# Allegro board MB1045.brd (continued)
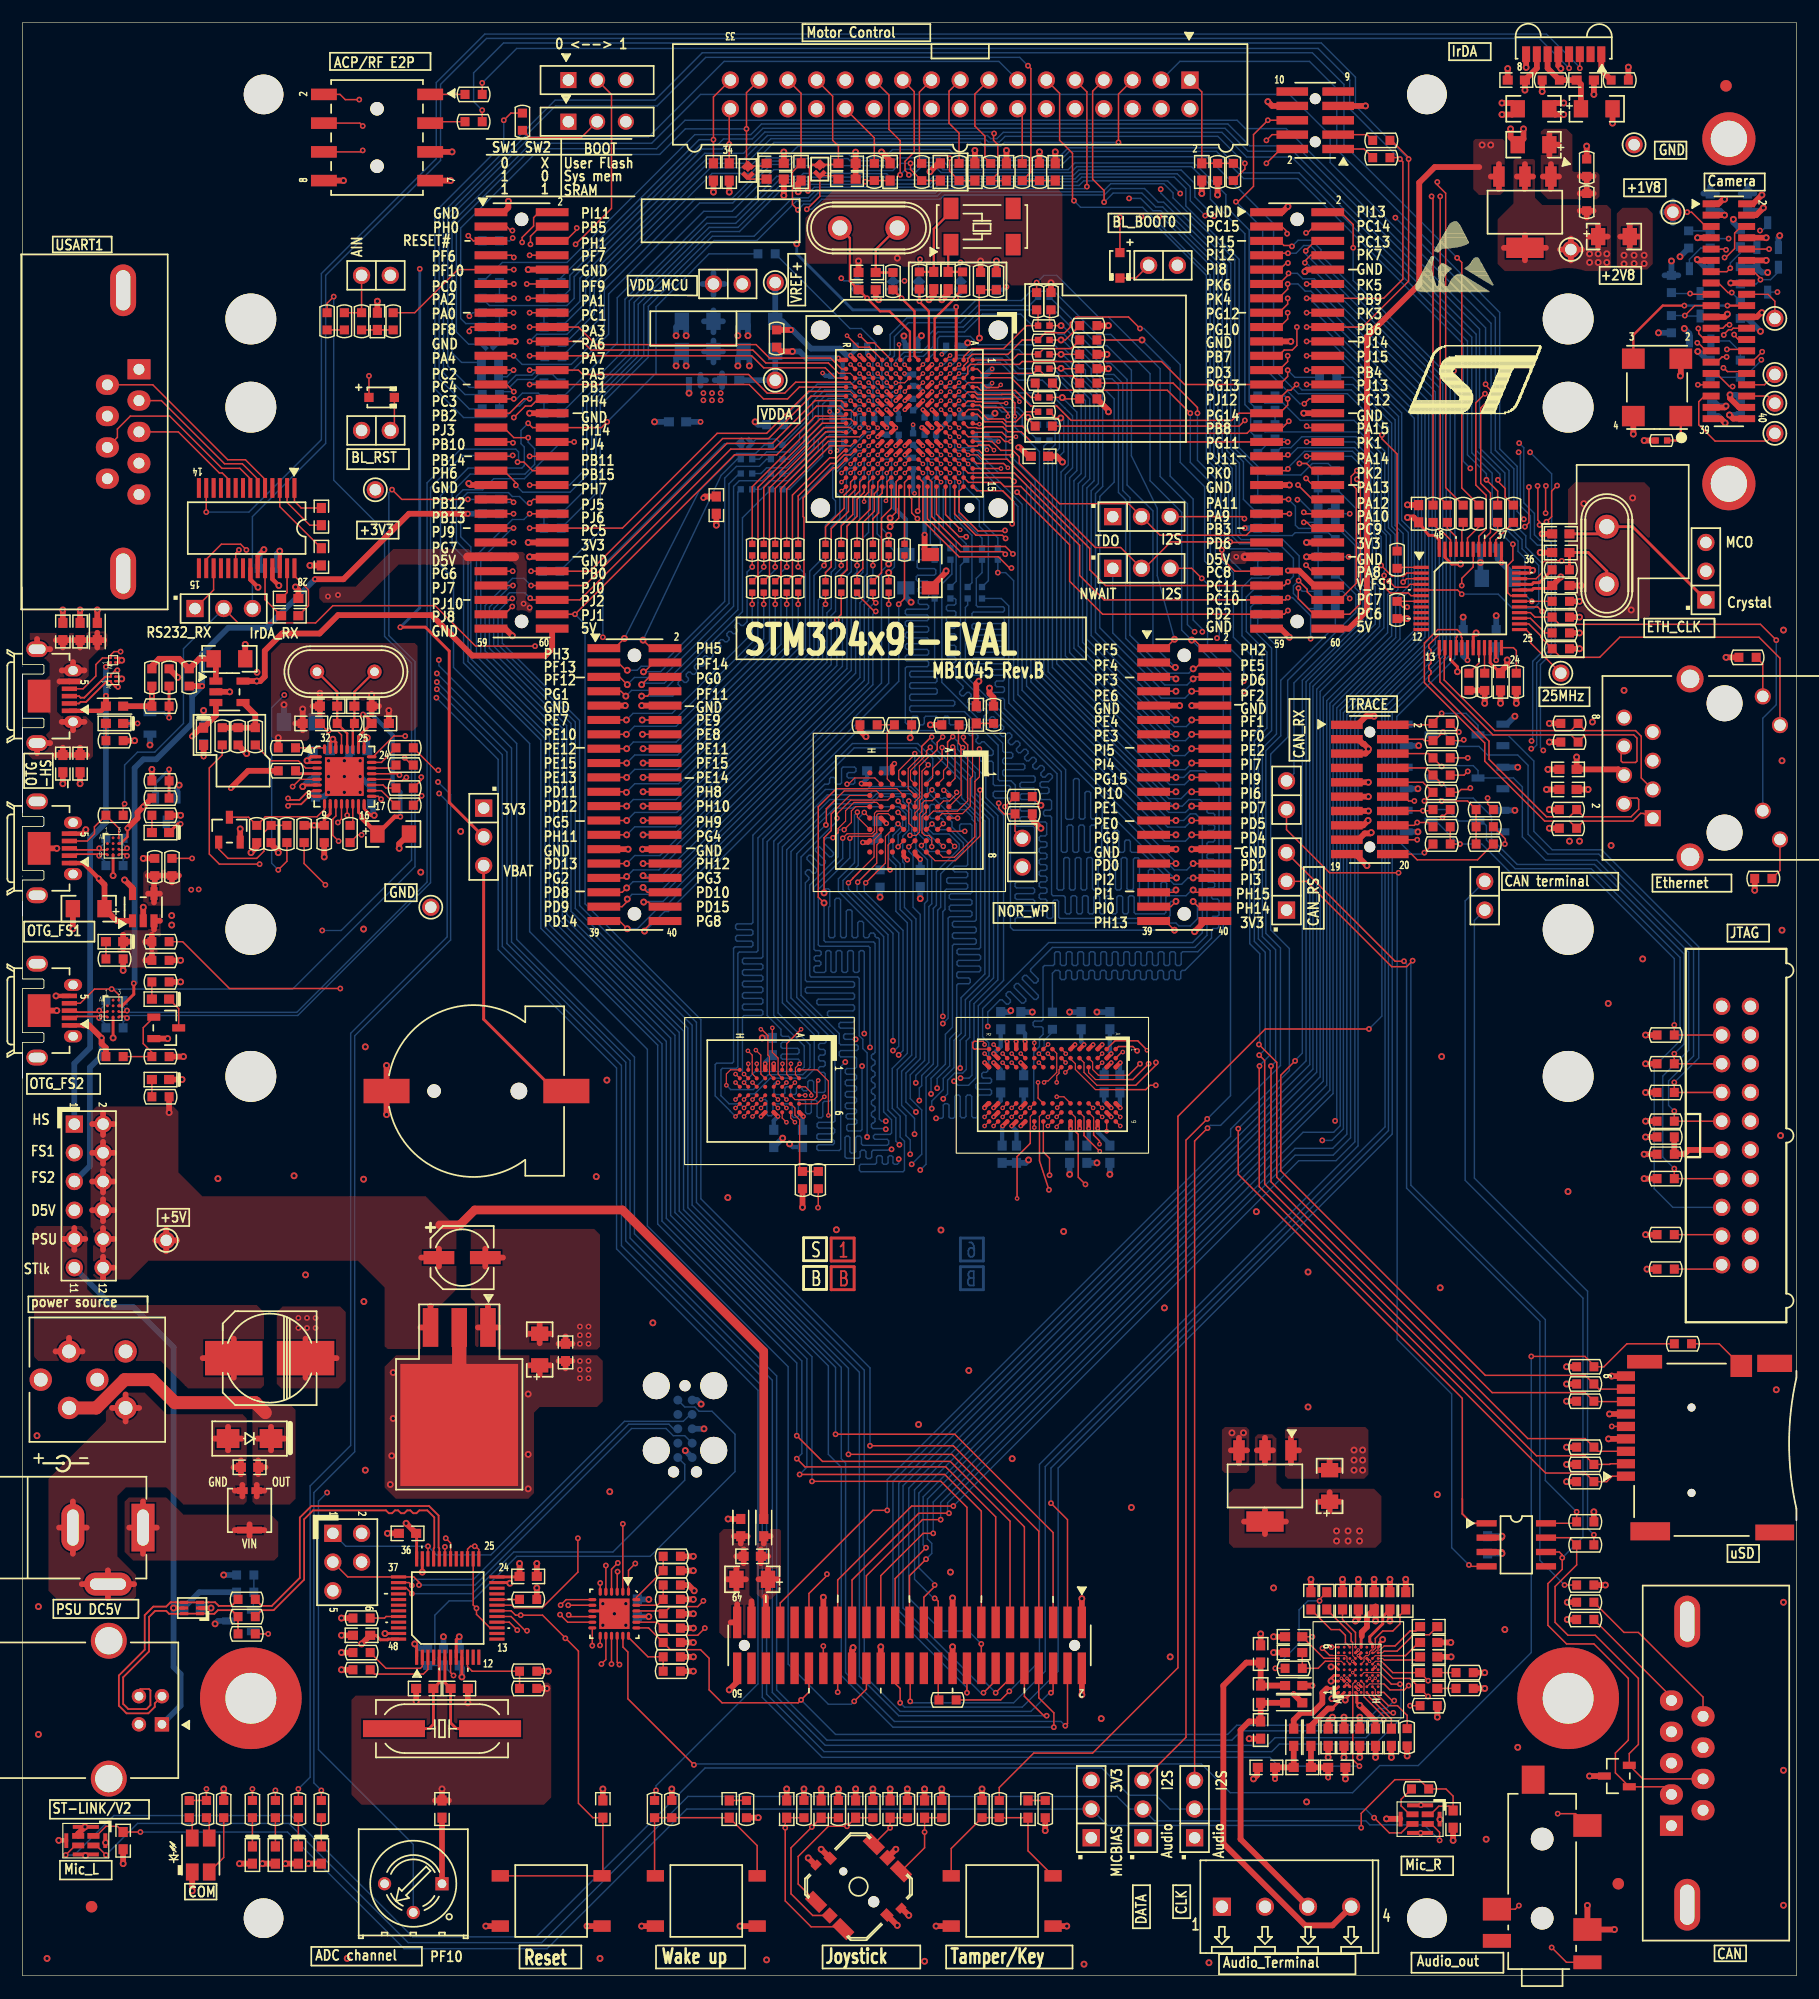
[diagram p0: board, top side]
## Routing (per net, layer and track width the routed paths; a pad name or vN(x,y) marks a point on that pad's centre or on a via; arc(x,y) is an arc through that point) (continued)
  BOTTOM w0.127: v1(133.3,134.72) 135.2,132.82 135.2,127.43 135.51,127.13 135.51,117.25 134.21,115.95 134.21,108.61 v1(134.47,108.36)
PI11: length 109.8
  TOP w0.127: U3.F3 v2(80.41,141.69) ; CN6.2 45.67,155.96 45.18,155.47 45.18,154.73 44.17,153.72 v1(44.17,153.29) ; v1(27.88,101.98) 28.2,102.3 U7.12
  L4_SIG w0.102: v1(27.88,101.98) 27.88,102.6 28.5,103.23 29.31,103.23 31.34,105.26 31.34,109.83 34.34,112.83 34.34,145.01 42.57,153.24 44.12,153.24 v1(44.17,153.29) 44.42,153.54 51.18,153.54 53.8,150.93 69.98,150.93 73.46,147.45 75.87,147.45 77.11,146.2 77.11,143.97 77.6,143.48 78.18,143.48 79.12,142.54 79.12,141.45 79.27,141.3 79.76,141.3 80.14,141.69 v2(80.41,141.69)
PI12: length 203.8
  TOP w0.127: U3.E3 v2(81.21,141.69) ; CN20.26 78.42,25.97 78.49,25.91 v1(78.49,24.26) ; CN7.7 111.1,152.15 111.28,152.32 v1(111.89,152.32)
  L4_SIG w0.102: v2(81.21,141.69) 81.65,142.13 81.65,144.52 85.72,148.59 89.28,148.59 90.32,149.63 90.32,150.52 92.66,152.86 109.96,152.86 110.49,152.32 v1(111.89,152.32)
  BOTTOM w0.127: v1(78.49,24.26) 78.61,24.13 87.63,24.13 90.42,26.92 90.42,45.02 120.47,75.06 120.47,112.19 125.58,117.3 125.58,140.79 114.31,152.07 114.31,152.56 113.86,153.01 113.28,153.01 112.6,152.32 v1(111.89,152.32)
PI13: length 212.3
  TOP w0.127: CN20.28 77.15,25.84 77.6,25.4 v1(77.6,24.13) ; v1(117.65,152.81) 117.65,154.86 116.56,155.96 CN7.2 ; U3.G3 v2(79.61,141.69)
  L4_SIG w0.102: v2(79.61,141.69) 79.61,141.75 80.04,142.18 80.04,144.17 85.72,149.86 88.27,149.86 91.97,153.57 110.49,153.57 110.69,153.37 113.95,153.37 114.51,152.81 v1(117.65,152.81)
  BOTTOM w0.127: v1(77.6,24.13) 77.98,23.75 88.39,23.75 91.57,26.92 91.57,44.89 121.11,74.43 121.11,111.68 126.24,116.81 126.24,141.33 117.65,149.91 v1(117.65,152.81)
PI14: length 169.8
  TOP w0.127: CN20.32 74.61,25.34 v1(73.53,24.26) ; v1(44.7,137.29) 45.09,136.91 CN6.32 51.18,136.91 v1(51.69,137.41)
  BOTTOM w0.127: v1(51.69,137.41) 56.01,141.73 56.01,147.59 60.69,152.27 R295.1 ; v1(73.53,24.26) 73.28,24 71.25,24 67.69,27.56 67.69,53.85 55.24,66.29 55.24,81.92 44.83,92.33 44.83,108.97 38.1,115.7 38.1,123.57 36.96,124.71 36.96,130.89 39.39,133.32 44.15,133.32 44.36,133.54 44.36,135.19 44.07,135.48 44.07,136.65 v1(44.7,137.29)
PK7: length 189.7
  TOP w0.127: CN7.8 113.89,152.15 113.39,151.64 v1(113.39,151.49) ; U3.C4 v2(82.81,140.89) ; R183.2 86.49,24.38 v1(87.25,25.15)
  L4_SIG w0.102: v1(113.39,151.49) 113.23,151.49 112.78,151.03 110.01,151.03 108.33,149.35 93.22,149.35 87.88,144.02 85.98,144.02 82.85,140.89 v2(82.81,140.89)
  BOTTOM w0.127: v1(87.25,25.15) 89.92,27.81 89.92,45.22 118.08,73.39 118.08,110.92 124.92,117.75 124.92,140.06 113.49,151.49 v1(113.39,151.49)
RESET#: length 373.7
  TOP w0.127: v1(128.02,105.03) 127.89,104.9 127.2,104.9 126.95,104.65 R109.2 ; D2.1 v1(30.63,141.48) ; v1(134.37,120.65) 133.97,121.04 U5.29 ; v1(22.61,97.79) 23.37,98.55 R123.2 ; B1.2 B1.3 51.31,8.9 C91.2 50.42,13.97 49.15,15.24 49.15,28.7 47.99,29.86 ; CN20.36 v1(72.07,25.07) ; 47.99,29.86 v1(47.99,29.83) ; 47.99,29.86 45.97,31.88 v1(44.04,31.88) 43.59,31.88 43.2,32.26 U15.18 ; U3.J1 77.54,142.96 77.54,144.21 v2(77.5,144.25)
  L4_SIG w0.102: v1(128.02,105.03) 128.27,105.28 128.27,106.38 134.11,112.22 134.11,120.4 v1(134.37,120.65) ; v1(22.61,97.79) 27.33,93.07 27.33,43.64 30.31,40.65 37.2,40.65 38.38,39.47 38.38,35.64 42.14,31.88 v1(44.04,31.88) ; v1(23.14,113.26) 22.05,114.35 22.05,126.67 31.11,135.74 31.11,138.68 30.63,139.17 v1(30.63,141.48) 30.63,141.86 42.44,153.67 v1(43.33,153.67) 43.54,153.67 43.76,153.9 51.46,153.9 54.03,151.33 70.03,151.33 73.65,147.71 76.09,147.71 77.39,146.41 77.39,144.35 v2(77.5,144.25) 77.78,143.97 79.27,143.97 81.92,146.61 81.92,148.46 83.69,150.24 87.91,150.24 91.59,153.92 110.97,153.92 111.28,153.62 119.53,153.62 v1(121.39,155.47) ; v1(72.07,25.07) 72.07,25.67 69.67,28.07 61.95,28.07 61.16,28.85 54.58,28.85 53.61,29.83 v1(47.99,29.83)
  BOTTOM w0.127: v1(23.14,113.26) 22.02,112.14 22.02,98.37 v1(22.61,97.79) ; v1(121.39,155.47) 130.23,146.63 130.23,134.9 131.86,133.26 131.86,128.38 132.92,127.33 132.92,126.34 134.37,124.89 v1(134.37,120.65) ; R208.1 43.08,153.42 v1(43.33,153.67)
RSTI_C: length 4.5
  TOP w0.127: CN5.17 147.51,148.69 v1(147.45,148.76)
  BOTTOM w0.127: T2.3 v1(147.45,148.76) 145.88,148.76 R212.1
STL_USB_DM: length 27.4
  TOP w0.155: R163.1 21.15,32.7 22.03,32.7 24.51,35.18 24.51,40.51 25.53,41.53 35.94,41.53 36.78,40.69 36.78,37.85 36.84,37.79 U15.32
STL_USB_DP: length 27.4
  TOP w0.155: R168.1 21.15,32.32 22.19,32.32 24.89,35.02 24.89,40.36 25.68,41.15 32.13,41.15 32.38,40.89 32.67,40.89 32.92,41.15 33.21,41.15 33.46,40.89 33.75,40.89 34,41.15 34.28,41.15 34.54,40.89 34.82,40.89 35.08,41.15 35.78,41.15 36.4,40.53 36.4,37.85 36.34,37.79 U15.33
STM_JTCK_SWCLK: length 39
  TOP w0.127: CN19.3 28.75,35.26 U15.37 34.59,35.26 35.05,34.8 v1(35.05,34.54)
  BOTTOM w0.127: v1(35.05,34.54) 40.01,34.54 53.85,48.39 56.9,48.39 57.53,47.75 58.55,47.75 CN25.4
STM_JTDI: length 31
  TOP w0.127: U15.38 34.16,34.76 v1(34.42,34.51)
  BOTTOM w0.127: CN25.8 57.56,48.36 57.15,48.77 53.59,48.77 39.88,35.05 34.67,35.05 34.42,34.8 v1(34.42,34.51)
STM_JTDO: length 31.9
  TOP w0.127: U15.39 33.94,34.26 v1(34.42,33.78)
  BOTTOM w0.127: CN25.6 58.55,45.21 58.55,43.81 52.2,37.47 43.43,37.47 39.75,33.78 v1(34.42,33.78)
STM_JTMS_SWDIO: length 38.8
  TOP w0.127: v1(35.84,37.97) U15.34
  BOTTOM w0.127: CN19.1 28.57,37.97 v1(35.84,37.97) 36.6,37.21 41.4,37.21 53.21,49.02 58.42,49.02 59.03,49.63 CN25.2
STM_RST: length 50.4
  TOP w0.127: U15.7 37.84,26.8 v1(38.1,26.54)
  BOTTOM w0.127: 35.94,27.43 C165.2 v1(38.1,26.54) ; 35.94,27.43 36.45,27.94 36.45,31.88 37.72,33.15 39.75,33.15 43.69,37.08 55.5,37.08 62.99,44.58 62.99,47.88 60.96,49.91 59.82,49.91 59.44,50.29 58.55,50.29 CN25.10 ; 35.94,27.43 R305.1
T_JTDO: length 215.1
  TOP w0.127: v1(135.69,131.78) 135.2,131.29 135.2,129.03 v1(134.75,128.57) ; U15.31 v1(37.34,37.92) ; R103.2 v1(127.79,107.7) ; v1(43.74,30.56) 43.03,31.26 U15.16
  L4_SIG w0.102: v1(135.69,131.78) 135.69,131.62 135.28,131.22 132.23,131.22 131.57,130.56 114.71,130.56 112.88,132.38 103.84,132.38 103.02,131.57 98.93,131.57 JP4.1 ; v1(37.34,37.92) 37.34,34.26 40.34,31.26 43.03,31.26 v1(43.74,30.56) 44.32,31.14 49.25,31.14 49.58,31.47 49.58,35.84 52.45,38.71 72.54,38.71 76.3,42.47 78.84,42.47 115.32,78.94 115.32,87.96 125.6,98.25 125.6,99.9 127.2,101.5 127.2,107.11 v1(127.79,107.7) 128.02,107.92 128.02,112.14 129.92,114.05 131.9,114.05 133.15,115.29 133.15,120.57 134.98,122.4 134.98,128.35 v1(134.75,128.57)
U5V_ST_LINK: length 53.1
  TOP w0.254: D8.5 v4(13.35,32.51)
  BOTTOM w0.508: v4(13.35,32.51) 13.35,27.29 13.97,26.67 13.97,23.88 CN21.1 ; v4(13.35,32.51) C163.1 15.62,33.91 R304.1 ; v4(13.35,32.51) 13.35,55.56 9.78,59.13 8.05,59.13 JP12.11
VREF+: length 14.2
  TOP w0.381: v2(73.21,143.29) 73.61,142.89 U3.P1
  TOP w0.508: R31.2 v1(67.94,145.54)
  BOTTOM w0.381: C107.2 73.66,143.76 73.21,143.31 v2(73.21,143.29)
  BOTTOM w0.508: TP2.1 C103.1 67.18,146.3 v1(67.94,145.54) 68.07,145.54 69.72,143.89 72.26,143.89 72.87,143.29 v2(73.21,143.29)
XSDN_C: length 5.2
  TOP w0.127: v1(146.98,146.81) 147.86,147.69 CN5.19
  BOTTOM w0.127: R220.1 v1(146.98,146.81) 147.02,146.77 T3.3

## Copper pours and planes (outline as drawn; the poured copper is in the pictures)
+1V8 on TOP: 107.06,43.05 108.46,43.05 108.97,43.56 108.97,47.62 109.22,47.88 110.49,47.88 110.87,47.5 110.87,43.56 111.38,43.05 119.51,43.05 120.14,42.42 120.14,38.35 119.63,37.85 107.06,37.85 106.68,38.23 106.68,42.67
+1V8 on BOTTOM: 154.56,159.38 154.81,159.13 154.81,156.72 154.56,156.46 146.81,156.46 146.56,156.21 146.56,150.11 146.43,149.99 145.41,149.99 145.16,149.73 145.16,144.91 143.83,143.57 143.83,137.1 145.41,135.51 145.41,119.25 138.3,112.14 138.3,100.2 137.92,99.82 136.4,99.82 136.02,100.2 136.02,113.28 142.75,120.02 142.75,133.73 141.22,135.25 141.22,148.72 143.76,151.26 143.76,158.37 144.78,159.38
+1V8 on BOTTOM: 115.7,40.64 120.52,40.64 121.28,39.88 121.28,25.4 119.25,23.37 115.82,23.37 114.94,24.26 114.94,39.88
+1V8 on L4_SIG: 134.75,101.47 137.79,101.47 138.3,100.97 138.3,100.08 136.27,98.04 135.51,98.04 130.81,93.34 130.81,90.93 123.06,83.19 123.06,40.89 119.76,37.59 116.46,37.59 115.82,38.23 115.82,42.67 116.71,43.56 117.98,43.56 119.25,44.83 119.25,85.98
+2V8 on TOP: 140.08,156.59 140.46,156.21 140.46,151 140.21,150.75 131.06,150.75 130.43,151.38 130.43,155.32 131.83,156.72 131.83,160.53 131.95,160.66 133.6,160.66 133.73,160.53 133.73,157.23 134.37,156.59
+2V8 on L3_VCC: 136.76,137.16 134.87,139.04 134.87,156.1 137.27,158.5 156.34,158.5 156.34,148.34 153.06,148.34 152.15,147.43 152.15,137.77 151.53,137.16
+3V3 on TOP: 33.02,54.86 50.8,54.86 51.31,54.36 51.31,50.8 50.8,50.29 45.72,50.29 45.21,49.78 45.21,42.67 44.7,42.16 33.02,42.16 32,43.18 32,53.85
+3V3 on TOP: 106.3,48.51 108.2,48.51 108.46,48.26 108.46,44.7 108.2,44.45 106.3,44.45 106.05,44.7 106.05,48.26
+3V3 on L3_VCC: 0.51,0.51 0.51,82.03 2,82.03 2.39,82.43 2.39,83.5 2,83.9 0.51,83.9 0.51,86.78 2,86.78 2.39,87.18 2.39,88.25 2,88.65 0.51,88.65 0.51,96.39 2,96.39 2.39,96.78 2.39,97.86 2,98.25 0.51,98.25 0.51,101.14 2,101.14 2.39,101.53 2.39,102.61 2,103 0.51,103 0.51,106.93 5.95,106.93 6.6,107.59 6.6,111.1 5.95,111.76 3.41,111.76 3.3,111.87 3.3,113.69 3.41,113.79 5.19,113.79 6.35,114.96 6.35,116.1 6.96,116.71 7.34,116.71 8,117.37 8,118.85 7.6,119.25 0.51,119.25 0.51,172.21 156.34,172.21 156.34,159 137.05,159 134.37,156.32 134.37,138.83 136.55,136.65 151.74,136.65 152.65,137.56 152.65,147.21 153.27,147.83 156.34,147.83 156.34,52.91 155.69,47.08 156.34,41.24 156.34,0.51 ; 1 cut-out
+5V on TOP: 36.86,59.18 36.86,55.93 36.35,55.42 32.26,55.42 32,55.68 32,60.86 29.64,63.22 11.13,63.22 9.47,61.57 6.58,61.57 6.02,62.13 6.02,76.35 6.54,76.87 13.32,76.87 13.77,76.43 13.77,71.04 15.88,68.94 35.64,68.94 38.35,66.22 38.35,60.68
+5V on TOP: 130.68,157.48 128.78,157.48 128.27,157.99 128.27,162.23 128.47,162.43 130.86,162.43 131.06,162.23 131.06,157.86
+5V on BOTTOM: 13.84,92.15 12.09,92.15 11.68,92.56 11.68,97.97 16.59,102.87 16.59,115.16 17.22,115.8 21.01,115.8 21.31,115.49 21.31,114.07 19.91,112.67 19.91,102.57 14.05,96.7 14.05,92.35
+5V on L4_SIG: 130.07,161.59 128.57,161.59 128.32,161.85 128.32,167.94 125.93,170.33 115.44,170.33 110.39,165.28 109.65,165.28 107.92,167 71.27,167 69.9,168.38 30.23,168.38 28.92,167.07 28.92,156.53 28.57,156.18 28.57,136.02 19.3,126.75 19.3,118.24 20.93,116.61 20.95,116.61 21.36,116.2 21.36,113.51 21.03,113.18 17.5,113.18 13.72,116.97 13.72,125.22 25.34,136.84 25.34,168.16 28.42,171.25 113.42,171.25 114.16,171.98 127.91,171.98 130.33,169.57 130.33,161.85
+5V on L4_SIG: 8.66,97.46 13.21,97.46 13.74,96.93 13.74,72.75 12.62,71.63 6.38,71.63 6.05,71.96 6.05,76.63 10.64,81.23 10.64,94.36 10.19,94.82 8.81,94.82 8.51,95.12 8.51,97.31
D5V on TOP: 39.67,125.93 39.67,124.99 39.47,124.79 33.25,124.79 29.87,121.41 26.59,121.41 26.24,121.77 26.24,122.66 26.42,122.83 29.44,122.83 32.77,126.16 39.45,126.16
D5V on TOP: 106.93,125.98 108.08,125.98 108.2,125.86 108.2,124.97 108.08,124.84 106.93,124.84 106.81,124.97 106.81,125.86
D5V on TOP: 42.93,125.91 44.22,125.91 44.58,125.55 44.58,121.62 45.06,121.13 45.06,120.7 44.88,120.52 43.97,120.52 43.64,120.85 43.64,122.58 43.66,122.61 43.66,124.69 43.31,125.04 43.03,125.04 42.93,125.15
D5V on BOTTOM: 14.68,95.22 15.21,95.22 21.54,101.55 21.54,112.12 22.89,113.46 22.89,116.71 27.61,121.44 28.07,121.44 28.27,121.64 28.27,122.66 28.09,122.83 26.82,122.83 21.72,117.73 21.72,114.02 20.42,112.73 20.42,102.06 14.43,96.06 14.43,95.48
D5V on L4_SIG: 106.93,125.98 108.33,125.98 108.58,125.73 108.58,124.59 105.92,121.92 97.16,121.92 95,119.76 62.36,119.76 60.55,121.56 47.88,121.56 46.58,120.27 44.07,120.27 43.94,120.4 43.94,121.54 44.2,121.79 45.82,121.79 46.58,122.56 61.21,122.56 62.74,121.03 94.11,121.03 96.14,123.06 104.9,123.06 106.81,124.97 106.81,125.86
D5V on L4_SIG: 14.71,96.47 15.6,96.47 15.82,96.24 15.82,72.01 10.36,66.55 3.84,66.55 3.4,66.98 3.4,68.99 3.73,69.32 8.36,69.32 8.56,69.11 10.97,69.11 14.58,72.72 14.58,96.34
GND on TOP: 22.86,117.86 34.67,117.86 34.92,117.6 34.92,110.49 34.54,110.11 32,110.11 32,111.25 31.88,111.38 30.48,111.38 30.48,112.78 26.8,112.78 26.8,111.38 25.53,111.38 25.34,111.19 25.34,109.41 25.15,109.22 22.35,109.22 21.97,109.6 21.97,116.97
GND on TOP: 40.39,55.37 40.01,55.75 40.01,59.56 39.62,59.94 39.62,65.79 39.88,66.04 50.55,66.04 51.05,65.53 51.05,55.63 50.8,55.37
GND on TOP: 111.89,48.51 118.75,48.51 119,48.26 119,44.32 118.62,43.94 111.89,43.94 111.63,44.2 111.63,48.26
GND on TOP: 29.46,24.77 44.83,24.77 44.96,24.89 44.96,25.78 45.09,25.91 46.48,25.91 46.74,25.65 46.74,15.75 46.1,15.11 29.97,15.11 29.08,16 29.08,24.38
GND on TOP: 137.29,132.08 143.38,132.08 143.89,131.57 143.89,120.27 143.64,120.02 137.16,120.02 136.65,120.52 136.65,131.44
GND on TOP: 141.48,156.34 143.64,156.34 144.15,155.83 144.15,151.38 143.64,150.88 141.22,150.88 140.97,151.13 140.97,155.83
GND on TOP: 77.6,151.38 69.47,151.38 69.22,151.64 69.22,155.45 71.75,157.99 91.57,157.99 91.95,157.61 91.95,149.73 91.69,149.48 87.38,149.48 85.72,151.13 77.85,151.13
GND on TOP: 22.99,59.18 28.07,59.18 28.57,58.67 28.57,52.58 27.94,51.94 22.86,51.94 22.48,52.32 22.48,58.67
GND on L2_GND, L5_GND: 0.51,0.51 0.51,82.03 2,82.03 2.39,82.43 2.39,83.5 2,83.9 0.51,83.9 0.51,86.78 2,86.78 2.39,87.18 2.39,88.25 2,88.65 0.51,88.65 0.51,96.39 2,96.39 2.39,96.78 2.39,97.86 2,98.25 0.51,98.25 0.51,101.14 2,101.14 2.39,101.53 2.39,102.61 2,103 0.51,103 0.51,106.93 5.95,106.93 6.6,107.59 6.6,111.1 5.95,111.76 3.41,111.76 3.3,111.87 3.3,113.69 3.41,113.79 5.19,113.79 6.35,114.96 6.35,116.1 6.96,116.71 7.34,116.71 8,117.37 8,118.85 7.6,119.25 0.51,119.25 0.51,172.21 156.34,172.21 156.34,52.91 155.69,47.08 156.34,41.24 156.34,0.51
GND on L4_SIG: 74.57,33.81 108.97,68.2 113.03,68.2 114.17,67.06 114.17,36.7 109.75,32.28 106.71,32.28 96.52,22.1 77.85,22.1 71.37,28.57 71.37,29.77 69.95,31.19 69.95,33.55 70.21,33.81
GND on L4_SIG: 41.15,106.3 48.39,106.3 49.91,104.78 49.91,82.17 65.28,66.8 91.95,66.8 93.6,65.15 93.6,60.58 78.87,45.85 75.56,45.85 71.75,42.04 31.88,42.04 29.59,44.32 29.59,93.29 39.5,103.2 39.5,104.65
GND on L4_SIG: 137.03,2.67 137.03,14.35 124.33,27.05 124.33,82.55 132.21,90.42 132.21,92.84 138.81,99.44 138.81,101.6 138.3,102.11 133.99,102.11 133.48,102.62 133.48,106.88 139.22,112.62 139.67,112.62 144.15,117.09 150.37,117.09 152.91,119.63 155.83,119.63 156.34,119.13 156.34,53.08 156.08,51.94 155.83,50.67 155.57,48.39 155.57,46.74 155.83,43.43 155.96,42.29 156.21,41.15 156.21,1.02 155.83,0.64 1.14,0.64 0.64,1.14 0.64,63.88 2.03,65.28 10.41,65.28 17.91,72.77 24.84,72.77 26.42,71.2 26.42,42.16 28.19,40.39 35.31,40.39 36.07,39.62 36.07,32.77 20.95,17.65 19.05,17.65 18.8,17.4 18.8,17.27 19.18,16.89 19.18,15.24 19.68,14.73 23.11,14.73 24.77,16.38 24.77,18.41 33.27,26.92 44.45,26.92 46.1,28.57 49.15,28.57 58.93,18.8 61.09,18.8 67.69,12.19 80.52,12.19 80.9,12.57 80.9,14.1 79.38,15.62 68.33,15.62 61.98,21.97 60.58,21.97 57.53,25.02 57.53,28.22 57.84,28.52 60.81,28.52 62.03,27.3 70.1,27.3 77.34,20.07 96.14,20.07 97.66,18.54 97.66,11.68 99.19,10.16 103.89,10.16 104.65,9.4 104.65,4.95 104.9,4.7 111.12,4.7 112.27,5.84 112.27,15.62 112.9,16.26 126.24,16.26 130.3,12.19 130.3,5.33 133.73,1.91 136.27,1.91
VDD_MCU on BOTTOM: 59.56,150.75 59.94,151.13 61.98,151.13 62.36,150.75 62.36,139.06 62.1,138.81 59.82,138.81 59.56,139.06
VDD_MCU on L3_VCC: 58.78,130.3 58.17,130.92 58.17,150.52 58.78,151.13 61.87,151.13 62.23,150.77 62.23,148.23 62.89,147.57 71.73,147.57 74.27,150.11 87.78,150.11 89.41,148.48 89.41,131.93 87.78,130.3
E5V on TOP: 21.08,51.94 21.34,52.2 21.34,58.67 20.7,59.31 7.11,59.31 5.72,60.71 5.72,65.79 5.21,66.29 1.27,66.29 1.02,66.04 1.02,54.74 1.4,54.36 12.19,54.36 14.61,51.94
NETC5_1 on TOP: 134.49,163.32 136.53,163.32 137.03,162.81 137.03,159.64 137.16,159.51 139.19,159.51 139.45,159.26 139.45,157.35 139.19,157.1 134.87,157.1 134.24,157.73 134.24,163.07
NETC6_2 on TOP (solid shape): 64.72,159.96 64.45,159.69 64.39,159.75 64.14,159.5 63.88,159.75 63.82,159.69 63.55,159.96 64.09,160.5 64.14,160.46 64.18,160.5
NETC7_2 on TOP (solid shape): 71.07,160.09 70.8,159.82 70.74,159.88 70.48,159.63 70.23,159.88 70.17,159.82 69.9,160.09 70.44,160.63 70.48,160.58 70.53,160.63
NETC17_1 on TOP (solid shape): 64.14,159.25 64.47,159.59 64.74,159.32 64.2,158.78 64.14,158.85 64.06,158.77 63.52,159.31 63.8,159.59
NETC18_2 on TOP (solid shape): 70.49,159.38 70.82,159.71 71.09,159.44 70.55,158.9 70.48,158.97 70.41,158.9 69.87,159.44 70.15,159.72
NETC36_1 on TOP: 0.89,107.57 0.51,107.95 0.51,109.6 0.64,109.73 2.03,109.73 2.41,110.11 2.41,111.51 2.16,111.76 0.76,111.76 0.53,111.99 0.53,114.5 0.58,114.55 0.64,114.55 0.68,114.6 2,114.6 2.39,115 2.39,116.07 2,116.47 0.76,116.47 0.64,116.59 0.64,118.75 5.72,118.75 5.84,118.87 7.24,118.87 7.49,118.62 7.49,117.6 7.11,117.22 6.73,117.22 5.84,116.33 5.84,114.94 5.08,114.17 3.3,114.17 3.05,113.92 3.05,111.76 3.43,111.38 5.59,111.38 6.22,110.74 6.22,107.82 5.97,107.57
NETC36_1 on L2_GND, L3_VCC, L5_GND: 0.51,107.44 0.51,109.85 2,109.85 2.39,110.25 2.39,111.32 2,111.72 0.51,111.72 0.51,114.6 2,114.6 2.39,115 2.39,116.07 2,116.47 0.51,116.47 0.51,118.75 7.39,118.75 7.49,118.64 7.49,117.58 7.13,117.22 6.75,117.22 5.84,116.31 5.84,115.17 4.97,114.3 3.2,114.3 2.79,113.9 2.79,111.65 3.2,111.25 5.74,111.25 6.1,110.89 6.1,107.8 5.74,107.44
NETC55_1 on TOP: 23.75,50.42 24.13,50.04 24.13,42.16 23.62,41.66 20.57,41.66 20.32,41.91 20.32,50.16 20.57,50.42
NETC55_2 on TOP: 9.65,33.15 3.18,33.15 2.29,34.04 2.29,43.94 7.37,49.02 7.37,49.91 9.02,51.56 10.8,51.56 12.7,49.66 19.43,49.66 19.81,49.28 19.81,41.91 19.56,41.66 14.22,41.66 12.7,43.18 9.14,43.18 8.38,42.42 8.38,37.08 10.03,35.43 10.03,33.53
NETC58_1 on TOP: 65.15,39.5 66.93,39.5 67.06,39.37 67.06,34.16 66.17,33.27 65.41,33.27 64.9,33.78 64.9,39.24
NETC58_2 on TOP: 61.98,39.5 63.88,39.5 64.26,39.12 64.26,33.66 64.68,33.24 64.68,32.85 64.77,32.77 64.77,30.1 64.52,29.84 62.1,29.84 61.59,30.35 61.59,39.12
NETC131_2 on L4_SIG: 131.19,126.36 131.57,125.98 131.57,116.46 130.94,115.82 127.25,115.82 127,116.08 127,125.98 127.38,126.36
NETCN6_3 on BOTTOM (solid shape): 77.54,149.8 77.27,149.53 77.21,149.59 76.96,149.34 76.71,149.59 76.65,149.53 76.38,149.8 76.92,150.34 76.96,150.3 77.01,150.34
NETCN6_6 on BOTTOM (solid shape): 74.37,149.8 74.1,149.53 74.04,149.59 73.79,149.34 73.54,149.59 73.47,149.53 73.21,149.8 73.74,150.34 73.79,150.3 73.83,150.34
NETCN7_3 on BOTTOM (solid shape): 79.83,149.8 79.56,149.53 79.5,149.59 79.25,149.34 79,149.59 78.94,149.53 78.67,149.8 79.2,150.34 79.25,150.3 79.29,150.34
NETCN7_4 on BOTTOM (solid shape): 83.51,149.8 83.24,149.53 83.18,149.59 82.93,149.34 82.68,149.59 82.62,149.53 82.35,149.8 82.89,150.34 82.93,150.3 82.97,150.34
NETCN18_1 on TOP: 9.4,42.29 12.7,42.29 14.22,40.77 21.97,40.77 22.61,40.13 22.61,37.08 22.23,36.7 9.78,36.7 9.02,37.47 9.02,41.91
NETLD8_2 on TOP: 11.3,93.98 12.07,93.98 12.19,93.85 12.19,91.95 11.94,91.69 11.94,89.41 11.68,89.15 8.64,89.15 8.38,89.41 8.38,91.82 9.02,92.46 11.05,92.46 11.18,92.58 11.18,93.85
NETR129_2 on TOP: 10.92,97.79 13.84,97.79 13.97,97.66 13.97,94.74 13.84,94.61 10.92,94.61 10.67,94.87 10.67,97.54
NETR248_2 on BOTTOM (solid shape): 64.75,135.58 64.67,135.51 64.74,135.44 64.2,134.9 63.93,135.17 64.27,135.5 63.93,135.84 64.21,136.12
NETSB7_1 on BOTTOM (solid shape): 41.22,144.61 40.89,144.28 41.23,143.94 40.95,143.66 40.41,144.2 40.48,144.27 40.41,144.34 40.95,144.88
NETSB8_2 on BOTTOM (solid shape): 63.83,135.82 63.77,135.76 64.02,135.51 63.77,135.26 63.83,135.2 63.56,134.93 63.02,135.47 63.06,135.51 63.02,135.55 63.56,136.09
PA0 on BOTTOM (solid shape): 42.14,144.32 42.09,144.27 42.14,144.23 41.6,143.69 41.33,143.96 41.39,144.02 41.14,144.27 41.39,144.52 41.33,144.58 41.6,144.85
PC14 on BOTTOM (solid shape): 83.55,149.15 83.01,148.61 82.93,148.69 82.86,148.62 82.32,149.16 82.59,149.43 82.92,149.09 83.26,149.43
PC15 on BOTTOM (solid shape): 79.86,149.15 79.32,148.61 79.25,148.69 79.18,148.62 78.64,149.16 78.91,149.43 79.24,149.09 79.58,149.43
PH0 on BOTTOM (solid shape): 77.58,149.15 77.04,148.61 76.96,148.69 76.89,148.62 76.35,149.16 76.62,149.43 76.96,149.09 77.29,149.43
PH1 on BOTTOM (solid shape): 74.4,149.15 73.86,148.61 73.79,148.69 73.72,148.62 73.18,149.16 73.45,149.43 73.78,149.09 74.12,149.43

Small or netless copper shapes (teardrops, artwork), in the pictures only: 8 on TOP

## Text on the board
Ref Des/Silkscreen Bottom: Rev.B | B | MB1045
Ref Des/Silkscreen Top: STlk | OTG_FS1 | OTG_FS2 | FS1 | power source | FS2 | D5V | PSU | HS | ST-LINK/V2 | USART1 | PSU DC5V | Mic_L | RS232_RX | +5V | COM | IrDA_RX | ADC channel | ACP/RF E2P | BL_RST | +3V3 | GND | RESET# | PF10 | PF6 | PC0 | PA2 | PA0 | PF8 | PA4 | PC2 | PC4 | PC3 | PB2 | PJ3 | PB10 | PB14 | PH6 | PB12 | PB13 | PJ9 | PG7 | PG6 | PJ7 | PJ10 | PJ8 | PH0 | SW1 SW2 | 0 | 1 | 3V3 | VBAT | X | PH3 | PF13 | PF12 | PG1 | PE7 | PE10 | PE12 | PE15 | PE13 | PD11 | PD12 | PG5 | PH11 | PD13 | PG2 | PD8 | PD9 | PD14 | 0 <--> 1 | User Flash | Sys mem | SRAM | PI11 | PB5 | PH1 | PF7 | PF9 | PA1 | PC1 | PA3 | PA6 | PA7 | PA5 | PB1 | PH4 | PI14 | PJ4 | PB11 | PB15 | PH7 | PJ5 | PJ6 | PC5 | PB0 | PJ0 | PJ2 | PJ1 | 5V | BOOT | VDD_MCU | PH5 | PF14 | PG0 | PF11 | PE9 | PE8 | PE11 | PF15 | PE14 | PH8 | PH10 | PH9 | PG4 | PH12 | PG3 | PD10 | PD15 | PG8 | VDDA | Motor Control | NOR_WP | NWAIT | PF5 | PF4 | PF3 | PE6 | PE4 | PE3 | PI5 | PI4 | PG15 | PI10 | PE1 | PE0 | PG9 | PD0 | PI2 | PI1 | PI0 | PH13 | TDO | BL_BOOT0 | I2S | PC15 | PI15 | PI12 | PI8 | PK6 | PK4 | PG12 | PG10 | PB7 | PD3 | PG13 | PJ12 | PG14 | PB8 | PG11 | PJ11 | PK0 | PA11 | PA9 | PB3 | PD6 | PC8 | PC11 | PC10 | PD2 | Audio_Terminal | PH15 | PH14 | PH2 | PE5 | PF2 | PF1 | PF0 | PE2 | PI7 | PI9 | PI6 | PD7 | PD5 | PD4 | PD1 | PI3 | TRACE | PI13 | PC14 | PC13 | PK7 | PK5 | PB9 | PK3 | PB6 | PJ14 | PJ15 | PB4 | PJ13 | PC12 | PA15 | PK1 | PA14 | PK2 | PA13 | PA12 | PA10 | PC9 | PA8 | V_FS1 | PC7 | PC6 | Mic_R | Audio_out | IrDA | CAN terminal | 25MHz | +2V8 | +1V8 | ETH_CLK | Ethernet | Camera | CAN | MCO | Crystal | JTAG | uSD | OTG | -HS | AIN | VREF+ | MICBIAS | DATA | Audio | CLK | CAN_RX | CAN_RS | S | B | Reset | Wake up | Joystick | MB1045 Rev.B | Tamper/Key | STM324x9I-EVAL
User.23: 1 | 3 | 5.1 | 6.1 | 8.9 | 9.9 | N/A | 90 OHM | 100 OHM | +/-10%
User.32: CN8 | CN1 | B1 | U4 | B2 | CN16 | CN3 | CN10 | CN4 | CN14_1 | U21 | CN5 | CN11 | RV2 | U10 | U27 | U7 | CN12 | U5 | CN14 | CN9 | CN13 | CN7 | CN23 | 1 | 845.00 | 545.00 | ST-Link | MB1063 | 0.00 | MB1043 | Designator5 | 400.00 | SDRAM | Speaker connector | Designator6 | Ethernet | Memory connector | Memory Connector | 118.36427 (mm)
User.40: FIGURE | SIZE | 6.0 | 8.0 | 10.0 | 12.0 | 30.0 | 38.0 | 40.0 | 43.0 | 48.0 | 53.0 | 64.0 | 95.0 | 126.0 | 177.0 | 28.0 | 33.46 | 39.0 | 47.0 | 58.0 | 67.0 | 79.0 | 94.0 | 125.0 | 138.0 | 33.0x30.0 | 59.0x33.0 | 126.0x40.0 | 140.0x50.0 | TOLERANCE | +3.0/-3.0 | +2.0/-2.0 | +5.0/-5.0 | DRILL CHART: TOP to BOTTOM | ALL UNITS ARE IN MILS | PLATED | NON-PLATED | ROTATION | - | 0.000 | 90.000 | QTY | 13 | 292 | 631 | 602 | 9 | 18 | 143 | 4 | 6 | 2 | 3 | 11 | 1 | 8 | 1800 | TOTAL HOLES:
